# Altium PCB Quadcopter_v1.0.PcbDoc
Units mm, origin at the board's own origin, x right, y up, seen from the top; angles counter-clockwise.
Board outline 90 x 90 mm, 2 copper layers (Top Layer, Bottom Layer); 77 components, 61 nets, 285 pads, 31 vias.
Unrouted connection lines stored in the file: 67.
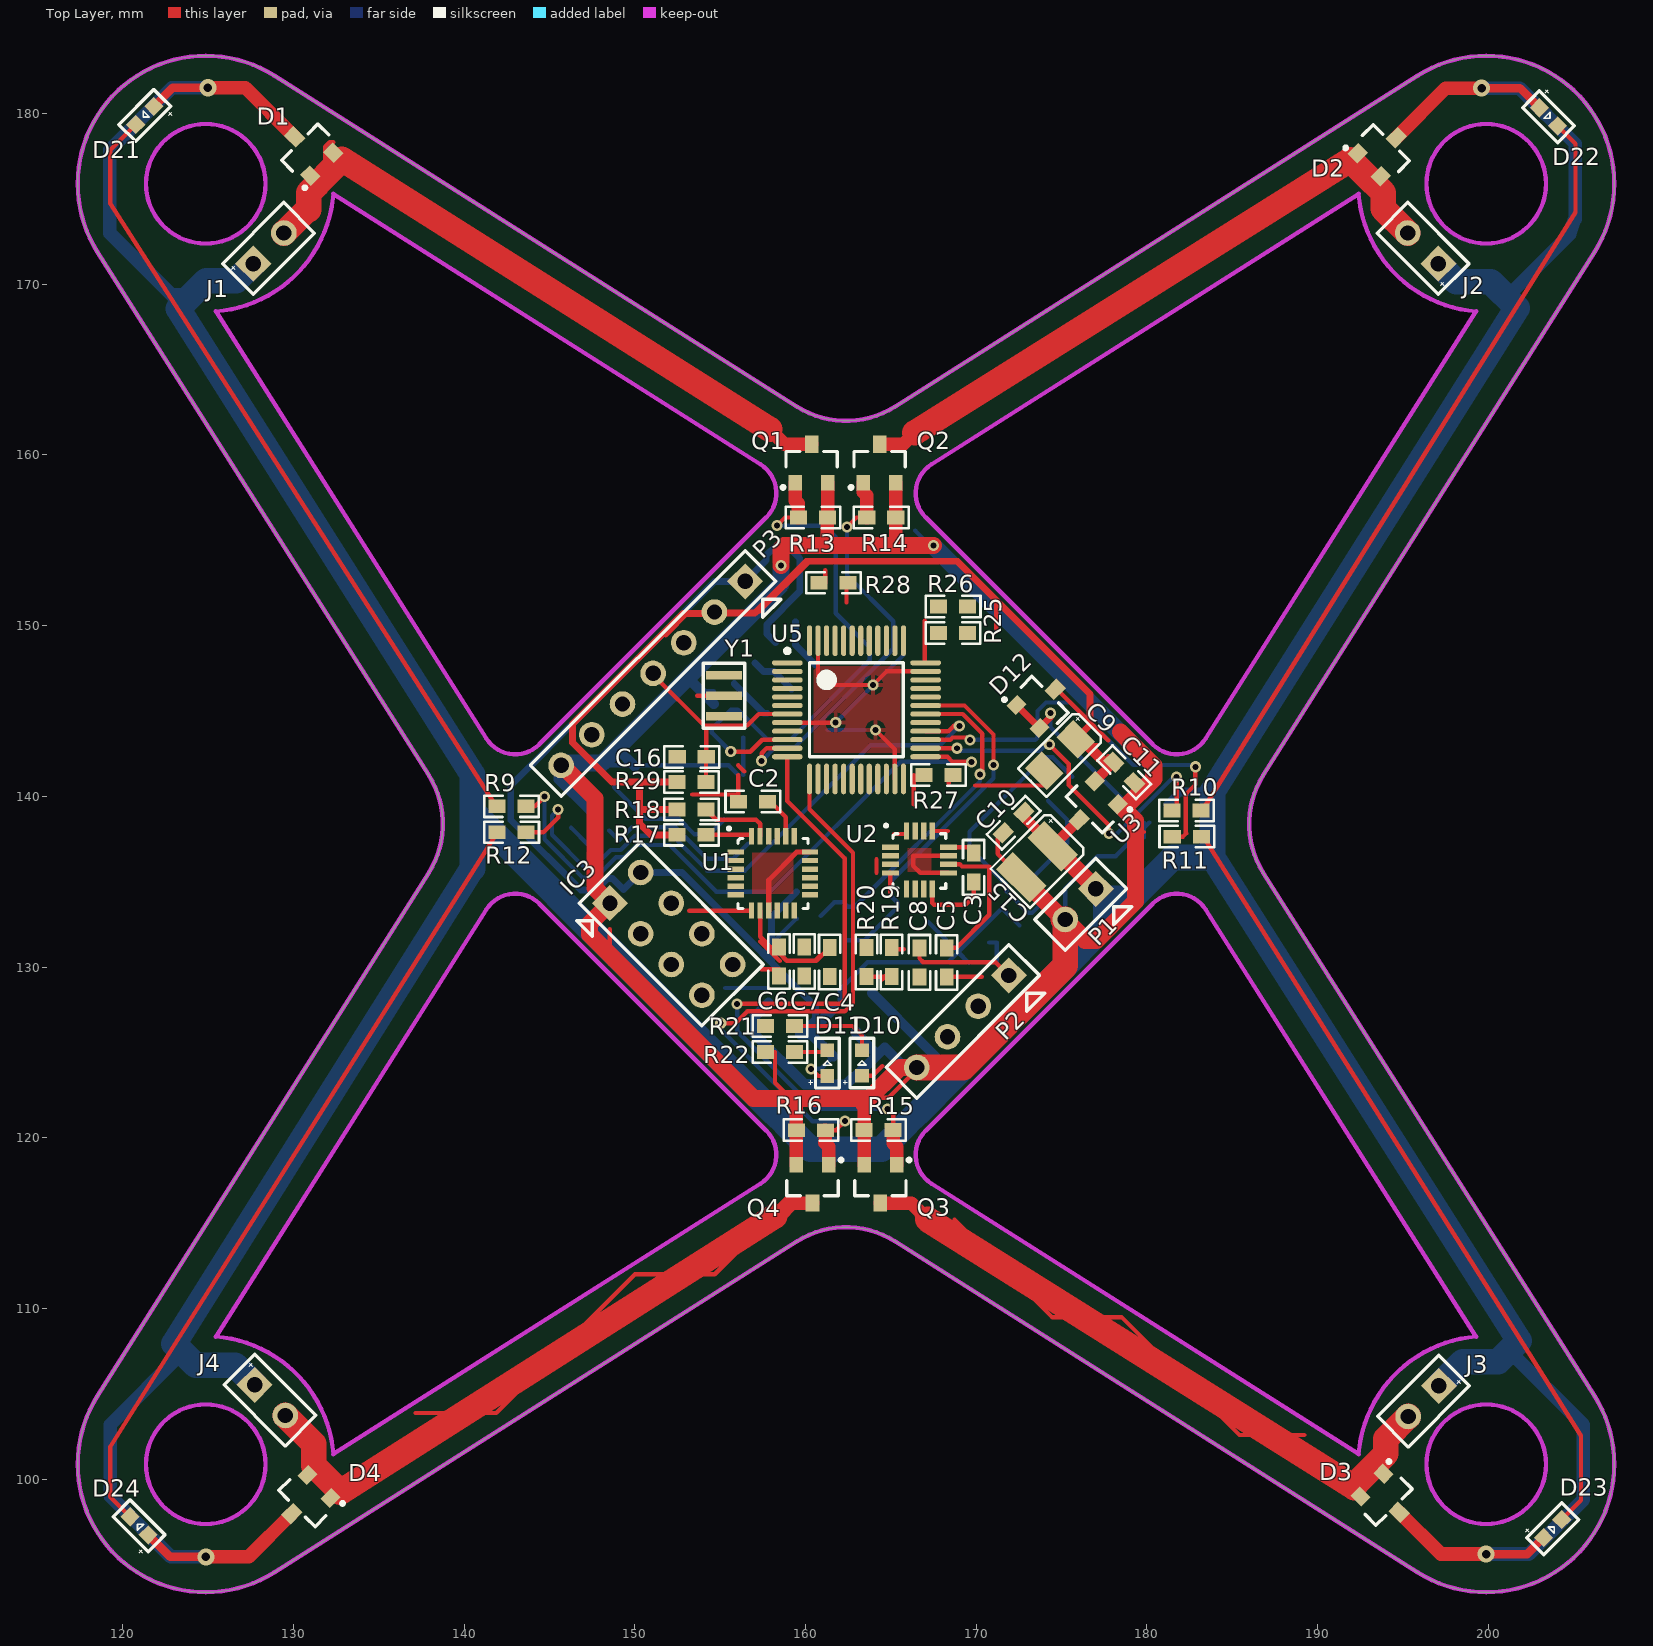
[diagram p0: Top Layer view]
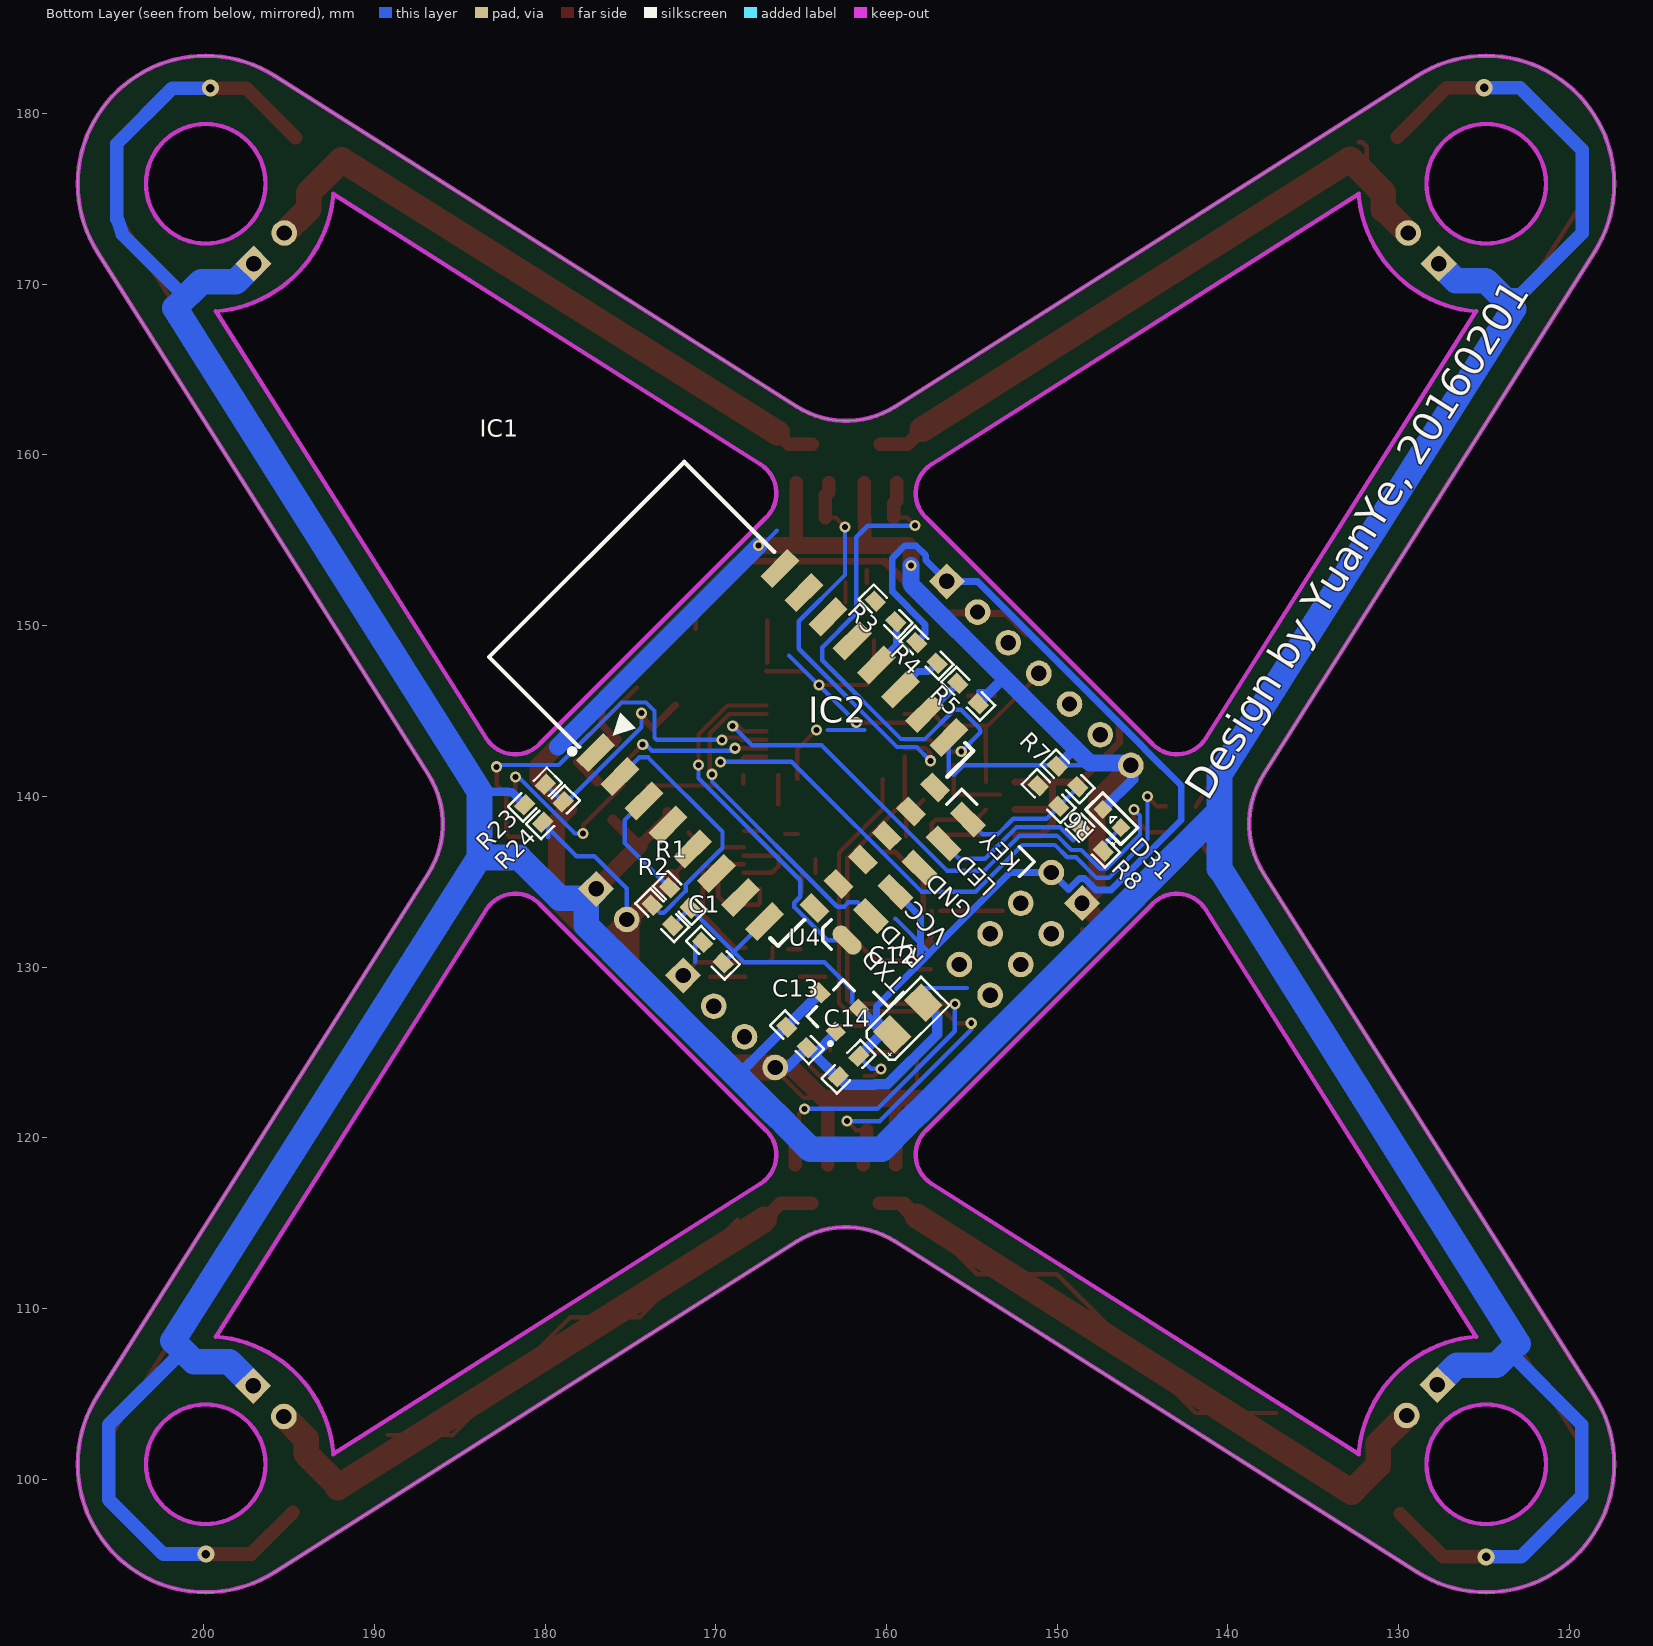
[diagram p1: Bottom Layer view, seen from below]

## Layer stack, top to bottom
Top Solder: solder mask 0.0102, Solder Resist, Dk 3.5
Top Layer: signal copper 0.0356
Dielectric 1: dielectric 0.32, FR-4, Dk 4.8
Bottom Layer: signal copper 0.0356
Bottom Solder: solder mask 0.0102, Solder Resist, Dk 3.5

## Board outline
118.538,104.894 ccw(c124.874,100.881) 128.887,94.545 159.505,113.936 cw(c162.374,109.405) 165.244,113.936 195.861,94.545 ccw(c199.874,100.881) 206.21,104.894 186.819,135.511 cw(c191.35,138.381) 186.819,141.251 206.21,171.868 ccw(c199.874,175.881) 195.861,182.217 165.244,162.826 cw(c162.374,167.357) 159.505,162.826 128.887,182.217 ccw(c124.874,175.881) 118.538,171.868 137.929,141.251 cw(c133.398,138.381) 137.929,135.511
cut-out: 125.466,108.358 cw(c124.874,100.881) 132.351,101.473 157.364,117.315 ccw(c156.294,119.005) 157.708,120.419 144.412,133.715 ccw(c142.998,132.301) 141.309,133.371
cut-out: 167.384,117.315 192.398,101.473 cw(c199.874,100.881) 199.282,108.358 183.44,133.371 ccw(c181.75,132.301) 180.336,133.715 167.04,120.419 ccw(c168.454,119.005)
cut-out: 167.04,156.343 180.336,143.047 ccw(c181.75,144.461) 183.44,143.391 199.282,168.404 cw(c199.874,175.881) 192.398,175.289 167.384,159.447 ccw(c168.454,157.757)
cut-out: 141.309,143.391 125.466,168.404 ccw(c124.874,175.881) 132.351,175.289 157.364,159.447 cw(c156.294,157.757) 157.708,156.343 144.412,143.047 cw(c142.998,144.461)
cut-out: 121.374,100.881 ccw(c124.874,100.881) 124.874,97.381 ccw(c124.874,100.881) 128.374,100.881 ccw(c124.874,100.881) 124.874,104.381 ccw(c124.874,100.881)
cut-out: 196.374,100.881 ccw(c199.874,100.881) 199.874,97.381 ccw(c199.874,100.881) 203.375,100.881 ccw(c199.874,100.881) 199.874,104.381 ccw(c199.874,100.881)
cut-out: 196.374,175.881 ccw(c199.874,175.881) 199.874,172.381 ccw(c199.874,175.881) 203.374,175.881 ccw(c199.874,175.881) 199.874,179.381 ccw(c199.874,175.881)
cut-out: 124.874,172.381 cw(c124.874,175.881) 121.374,175.881 cw(c124.874,175.881) 124.874,179.381 cw(c124.874,175.881) 128.374,175.881 cw(c124.874,175.881)

## Design rules (kind name [scope] priority, off if disabled: settings)
Clearance Pol_Clearance [InPolygon] p1: gap=0.5
Clearance [All] p2: gap=0.178
ComponentClearance [All] p1: gap=0 collisioncheckmode=3 verticalgap=0 showdistances=FALSE
HoleToHoleClearance [All] p1: gap=0 allowstackedmicrovias=TRUE
MinimumSolderMaskSliver [All] p1: minsoldermaskwidth=0.1
PolygonConnect [All] p1: connectstyle=Relief reliefconductorwidth=0.254 reliefentries=4 polygonreliefangle="90 Angle" airgapwidth=0.254
RoutingVias [All] p1: holewidth=0.35 width=0.65 viastyle="Through Hole" minholewidth=0.35 minwidth=0.65 maxholewidth=6 maxwidth=6
SilkToSilkClearance [All] p1: silktosilkclearance=0
SolderMaskExpansion [All] p1: expansion=0.102
Width Width_VBAT [InNet('VBAT')] p1: maxlimit=4 minlimit=0.5 preferedwidth=1.5
Width [All] p2: maxlimit=4 minlimit=0.254 preferedwidth=0.254
26 further rules are at their usual default settings.

## Classes and differential pairs
component class U_WiFi: C1 IC1 R1 R2 R3 R4 R5
component class U_STM32F103CBT6: P2 P3 R25 R26 R27 R28 R29 U5 Y1
component class U_Power: C9 C10 C11 C12 C13 C14 C15 D10 D11 D12 P1 R21 R22 R23 R24 U3 U4
component class U_nRF24L01: IC3
component class U_MPU: C2 C3 C4 C5 C6 C7 C8 R17 R18 R19 R20 U1 U2
component class U_Motor: D1 D2 D3 D4 D21 D22 D23 D24 J1 J2 J3 J4 Q1 Q2 Q3 Q4 R9 R10 R11 R12 R13 R14 R15 R16
component class U_BlueTooth: D31 R6 R7 R8

## Components (designator, comment, footprint, x,y, rotation, side; value= is the part's Value field where it differs from the comment)
C1 "C0603" C0603 170.17,130.843 r225 bottom
C2 "Ceramic, X7R, 2.2nF ±10%, 50V" C0603 156.917,139.692 r0 top
C3 "C0603" C0603 169.852,135.844 r90 top
C4 "C0603" C0603 161.418,130.304 r90 top
C5 "C0603" C0603 168.27,130.276 r90 top
C6 "C0603" C0603 158.446,130.32 r90 top
C7 "C0603" C0603 159.928,130.32 r90 top
C8 "C0603" C0603 166.68,130.28 r90 top
C9 "Cap Ta" CAP_TA_A_CASE 174.901,142.415 r45 top
C10 "C0603" C0603 172.192,138.46 r225 top
C11 "C0603" C0603 178.672,141.41 r315 top
C12 "Cap Ta" CAP_TA_A_CASE 158.758,126.987 r315 bottom
C13 "C0603" C0603 165.246,125.887 r225 bottom
C14 "C0603" C0603 162.224,124.169 r315 bottom
C15 "Cap Ta" CAP_TA_B_CASE 173.558,136.167 r45 top
C16 "C0603" C0603 153.34,142.311 r0 top
D1 "BAT54C" SOT23-3 130.873,177.827 r135 top
D2 "BAT54C" SOT23-3 193.815,177.789 r45 top
D3 "BAT54C" SOT23-3 193.977,98.864 r315 top
D4 "BAT54C" SOT23-3 130.711,98.781 r225 top
D10 "LED" LED_0603 163.308,124.384 r90 top
D11 "LED" LED_0603 161.285,124.37 r90 top
D12 "BAT54C" SOT23-3 173.83,145.471 r45 top
D21 "LED" LED_0603 121.304,179.881 r225 top
D22 "LED" LED_0603 203.521,179.805 r315 top
D23 "LED" LED_0603 203.764,97.111 r45 top
D24 "LED" LED_0603 120.967,97.277 r135 top
D31 "LED" LED_0603 146.8,138.7 r45 bottom
IC1 "ESP8266 ESP-12-E" ESP_12_E 177.3,142.3 r135 bottom
IC2 "HC-06_PAD" HC-0X_PAD 162.311,131.581 r135 bottom
IC3 "nRF24L01_2X4PIN" nRF24L01_module 148.548,133.744 r315 top
J1 "motor bonding pad" Motor_Pin_Pad 127.656,171.201 r45 top
J2 "motor bonding pad" Motor_Pin_Pad 197.067,171.201 r135 top
J3 "motor bonding pad" Motor_Pin_Pad 197.094,105.473 r225 top
J4 "motor bonding pad" Motor_Pin_Pad 127.741,105.532 r315 top
P1 "Header 2" HDR1X2 177.01,134.585 r225 top
P2 "Header 4" HDR1X4 171.913,129.509 r225 top
P3 "Header 1X7" HDR1X7 156.464,152.591 r225 top
Q1 "SI2302" SOT23-3 160.361,159.498 r90 top
Q2 "SI2302" SOT23-3 164.343,159.498 r90 top
Q3 "SI2302" SOT23-3 164.387,117.301 r270 top
Q4 "SI2302" SOT23-3 160.41,117.301 r270 top
R1 "R0603" R0603 172.11,134.045 r225 bottom
R2 "R0603" R0603 173.133,133.034 r225 bottom
R3 "R0603" R0603 160.058,150.832 r225 bottom
R4 "R0603" R0603 157.642,148.41 r225 bottom
R5 "R0603" R0603 155.222,146.015 r225 bottom
R6 "R0603" R0603 150.507,140.018 r45 bottom
R7 "R0603" R0603 149.393,141.168 r45 bottom
R8 "R0603" R0603 147.9,137.4 r45 bottom
R9 "R0603" R0603 142.78,139.415 r180 top
R10 "R0603" R0603 182.327,139.172 r0 top
R11 "R0603" R0603 182.335,137.641 r0 top
R12 "R0603" R0603 142.792,137.898 r180 top
R13 "R0603" R0603 160.433,156.331 r180 top
R14 "R0603" R0603 164.439,156.331 r180 top
R15 "R0603" R0603 164.286,120.458 r0 top
R16 "R0603" R0603 160.316,120.45 r0 top
R17 "R0603" R0603 153.324,137.746 r180 top
R18 "R0603" R0603 153.33,139.232 r180 top
R19 "R0603" R0603 165.044,130.29 r270 top
R20 "R0603" R0603 163.575,130.29 r270 top
R21 "R0603" R0603 158.503,126.554 r0 top
R22 "R0603" R0603 158.503,125.026 r0 top
R23 "R0603" r0603 180.591,140.102 r315 bottom
R24 "R0603" r0603 179.541,139.072 r135 bottom
R25 "R0603" R0603 168.646,149.571 r0 top
R26 "R0603" R0603 168.652,151.12 r180 top
R27 "R0603" R0603 167.788,141.247 r180 top
R28 "R0603" R0603 161.644,152.509 r180 top
R29 "R0603" R0603 153.325,140.838 r0 top
U1 "MPU6050" "24 Lead QFN" 155.694,133.802 r0 top
U2 "HMC5983" "16 Lead QFN 2" 165.028,137.01 r0 top
U3 "ME6206A33" SOT23-3 176.825,139.42 r225 top
U4 "ME6206A33" SOT23-3 163.097,127.691 r45 bottom
U5 "STM32F103CBT6" LQFP48_N 162.987,145.069 r0 top
Y1 "CSTCE8M00G52Z" X8MCSTCR 155.23,145.901 r270 top

## Footprints (in the part's own frame and the unit in brackets; to place one, negate y for a bottom-side part, rotate by r counter-clockwise, add the part's x,y. Pads: shape width x height; smd on the part's side, far side on the other; paste and mask are expansions set on the pad)
"16 Lead QFN 2" [mm]
  rect 1x0.3 smd: 1(-0.042,0.011) 2(-0.042,-0.489) 3(-0.042,-0.989) 4(-0.042,-1.489) 9(3.34,-1.489) 10(3.34,-0.989) 11(3.34,-0.489) 12(3.34,0.011)
  rect 0.3x1 smd: 5(0.899,-2.43) 6(1.399,-2.43) 7(1.899,-2.43) 8(2.399,-2.43) 13(2.399,0.952) 14(1.899,0.952) 15(1.399,0.952) 16(0.899,0.952)
  silkscreen extent -0.35,-2.4 3.18,1.32, body extent 0.13,-2.41 3.17,0.76, height 0.9
"24 Lead QFN" [mm]
  rect 0.95x0.3 smd: 1(0.228,2.932) 2(0.228,2.432) 3(0.228,1.932) 4(0.228,1.432) 5(0.228,0.932) 6(0.228,0.432) 13(4.578,0.432) 14(4.578,0.932) 15(4.578,1.432) 16(4.578,1.932) 17(4.578,2.432) 18(4.578,2.932)
  rect 0.3x0.95 smd: 7(1.153,-0.493) 8(1.653,-0.493) 9(2.153,-0.493) 10(2.653,-0.493) 11(3.153,-0.493) 12(3.653,-0.493) 19(3.653,3.857) 20(3.153,3.857) 21(2.653,3.857) 22(2.153,3.857) 23(1.653,3.857) 24(1.153,3.857)
  silkscreen extent -0.23,-0.37 4.45,4.37, body extent 0.38,-0.38 4.44,3.68, height 0.89
C0603 [mm]
  rect 1x0.8 smd: 1(-0.85,0) 2(0.85,0)
  silkscreen extent -1.6,-0.63 1.6,0.63, body extent -0.79,-0.38 0.79,0.38, height 0.8
CAP_TA_A_CASE [mm]
  rect 1.4x1.8 smd: 1(1.3,0) 2(-1.3,0)
  silkscreen extent -2.28,-1.17 2.47,1.18, body extent -1.7,-0.9 1.7,0.9, height 1.7
CAP_TA_B_CASE [mm]
  rect 1.4x2.8 smd: 1(1.3,0) 2(-1.3,0)
  silkscreen extent -2.2,-1.63 2.5,1.62, body extent -1.77,-1.38 1.89,1.42, height 1.95
ESP_12_E [mm] "ESP-12 Wi-Fi Module by AI-Thinker"
  rect 2.25x1 smd: 1(0.375,0) 2(0.375,-2) 3(0.375,-4) 4(0.375,-6) 5(0.375,-8) 6(0.375,-10) 7(0.375,-12) 8(0.375,-14) 15(15.625,-14) 16(15.625,-12) 17(15.625,-10) 18(15.625,-8) 19(15.625,-6) 20(15.625,-4) 21(15.625,-2) 22(15.625,0)
  rect 1x1.5 smd: 9(3,-15.5) 10(5,-15.5) 11(7,-15.5) 12(9,-15.5) 13(11,-15.5) 14(13,-15.5)
  silkscreen extent -0.7,-15.57 16.08,8.37, body extent 0,-15.49 16,8.51, height 2.75
HC-0X_PAD [mm]
  oval 1x2 smd: 1(0,0)
  rect 1x2 smd: 2(2,0) 12(4,0) 13(6,0) 24(8,0) 26(10,0)
  silkscreen extent -1.06,-4.5 11,1.5
HDR1X2 [mm] "Connector; Header; 2 Position"
  rect 1.5x1.5 hole 0.9: 1(0,0)
  round 1.5 hole 0.9: 2(2.54,0)
  silkscreen extent -1.27,-1.27 3.81,2.22
HDR1X4 [mm] "Connector; Header; 4 Position"
  rect 1.5x1.5 hole 0.9: 1(0,0)
  round 1.5 hole 0.9: 2(2.54,0) 3(5.08,0) 4(7.62,0)
  silkscreen extent -1.27,-1.27 8.89,2.23
HDR1X7 [mm] "Connector; Header; 7 Position"
  rect 1.5x1.5 hole 0.9: 1(0,0)
  round 1.5 hole 0.9: 2(2.54,0) 3(5.08,0) 4(7.62,0) 5(10.16,0) 6(12.7,0) 7(15.24,0)
  silkscreen extent -1.27,-1.27 16.51,2.23
LED_0603 [mm]
  rect 0.8x0.8 smd: 1(-0.75,0) 2(0.75,0)
  silkscreen extent -1.45,-0.7 1.45,1.1, body extent -0.8,-0.4 0.8,0.4, height 0.7
LQFP48_N [mm] "Thin QFP, 48-Leads, Body 7x7mm, Pitch 0.5mm, IPC Medium Density"
  oval 1.8x0.3 smd: 1(-4.05,2.75) 2(-4.05,2.25) 3(-4.05,1.75) 4(-4.05,1.25) 5(-4.05,0.75) 6(-4.05,0.25) 7(-4.05,-0.25) 8(-4.05,-0.75) 9(-4.05,-1.25) 10(-4.05,-1.75) 11(-4.05,-2.25) 12(-4.05,-2.75) 25(4.05,-2.75) 26(4.05,-2.25) 27(4.05,-1.75) 28(4.05,-1.25) 29(4.05,-0.75) 30(4.05,-0.25) 31(4.05,0.25) 32(4.05,0.75) 33(4.05,1.25) 34(4.05,1.75) 35(4.05,2.25) 36(4.05,2.75)
  oval 0.3x1.8 smd: 13(-2.75,-4.05) 14(-2.25,-4.05) 15(-1.75,-4.05) 16(-1.25,-4.05) 17(-0.75,-4.05) 18(-0.25,-4.05) 19(0.25,-4.05) 20(0.75,-4.05) 21(1.25,-4.05) 22(1.75,-4.05) 23(2.25,-4.05) 24(2.75,-4.05) 37(2.75,4.05) 38(2.25,4.05) 39(1.75,4.05) 40(1.25,4.05) 41(0.75,4.05) 42(0.25,4.05) 43(-0.25,4.05) 44(-0.75,4.05) 45(-1.25,4.05) 46(-1.75,4.05) 47(-2.25,4.05) 48(-2.75,4.05)
  silkscreen extent -4.17,-2.75 2.75,3.57, body extent -3.5,-3.5 3.5,3.5, height 1.6
Motor_Pin_Pad [mm] "Connector; Header; 2 Position"
  rect 1.5x1.5 hole 0.9: 1(0,0)
  round 1.5 hole 0.9: 2(2.54,0)
  silkscreen extent -1.27,-1.27 3.8,1.27
nRF24L01_module [mm] "nRF24L01_module"
  rect 1.5x1.5 hole 0.9: 1(0,0)
  round 1.5 hole 0.9: 2(0,2.54) 3(2.54,0) 4(2.54,2.54) 5(5.08,0) 6(5.08,2.54) 7(7.62,0) 8(7.62,2.54)
  silkscreen extent -1.27,-2.1 8.89,3.81, body extent -1.57,-1.68 13.43,27.32, height 15
R0603 [mm]
  rect 1x0.8 smd: 1(-0.85,0) 2(0.85,0)
  silkscreen extent -1.6,-0.63 1.6,0.63, body extent -0.79,-0.38 0.79,0.38, height 0.4
r0603 [mm]
  rect 1x0.8 smd: 1(-0.85,0) 2(0.85,0)
  silkscreen extent -1.6,-0.62 1.6,0.63, body extent -0.79,-0.38 0.79,0.38, height 0.4
SOT23-3 [mm] "SOT23, 3-Leads, Body 2.9x1.3mm, Pitch 0.95mm, Lead Span 2.3mm - Reverse Pinning, IPC Medium Density"
  rect 0.9x0.8 smd: 1(-1.125,0.95) 2(-1.125,-0.95)
  rect 1x0.8 smd: 3(1.125,0)
  silkscreen extent -1.5,-1.5 0.7,1.77, body extent -1.4,-1.45 1.4,1.45, height 1.3
X8MCSTCR [mm]
  rect 0.5x2.1 smd: 1(-1.2,0) 2(0,0) 3(1.2,0)
  silkscreen extent -1.9,-1.22 1.9,1.22, body extent -1.75,-0.65 1.75,0.65, height 0.7

## Part data
C1 C2 C3 C4 C5 C6 C7 C8 C10 C11 C13 C14 C16: library part Cap, "Capacitor (Semiconductor SIM Model)"
C9 C12 C15: library part "Cap Tantalum", "Polarized Capacitor (Surface Mount)"
D10 D11 D21 D22 D23 D24 D31: "Typical INFRARED GaAs LED"
IC3: library part nRF24L01_MOD_2X4
J1 J2 J3 J4: library part Joint_Motor
P1: "Header, 2-Pin"
P2: "Header, 4-Pin"
P3: "Header, 7-Pin"
Q1 Q2 Q3 Q4: "N-Channel MOSFET"
R1 R2 R3 R4 R5 R6 R7 R8 R9 R10 R11 R12 R13 R14 R15 R16 R17 R18 R19 R20 R21 R22 R23 R24 R25 R26 R27 R28 R29: library part Res3, "Resistor"
U1: "MPU6050, 24pin"
U2: "HMC5983, 16pin"
U3 U4: library part ME6206, "ME6206A33, SOT23"
U5: "STM32 ARM-based 32-bit MCU with 128 Kbytes Flash, 48-pin LQFP, Industrial Temperature"
Y1: "Crystal Oscillator, 3rd In-Line Lead Version"

## Via types
v1: diameter 0.65, hole 0.35, Top Layer to Bottom Layer, 27 vias
v2: diameter 1, hole 0.5, Top Layer to Bottom Layer, 4 vias

## Nets (pads, with @x,y where several pads share a name; then routed paths per layer and width w, separated by ;. In a path a pad name is that pad's centre, name@x,y a point inside that pad or via, vN(x,y) a via of type N, cw(c..) or ccw(c..) an arc to the next point about the centre after c; other vN are vias at no path point)
3V3: C4.2 C6.2 C8.2 C9.1 C11.1 D10.1 D12.3 P2.1 P3.2 R17.2 R18.2 R19.2 R20.2 R25.2 R29.1 U1.8 U1.13 U2.2 U2.4 U2.6 U2.13 U3.2 U5.1 U5.9 U5.24 U5.36 U5.48 | length 137
  Top Layer w0.254: 151.818,149.435 153.177,150.794 ; P3.2 157.271,150.794 160.249,153.772 ; 157.347,131.502 158.496,130.353 ; U1.8 157.347,131.779 157.955,131.17 C6.2 ; C6.2@158.446,130.82 158.9,130.365 ; 160.528,130.353 160.884,130.708 ; C4.2 160.629,130.365 ; D10.1 163.928,123.634 164.498,124.204 ; R20.2 R19.2 ; 164.16,135.521 164.16,136.322 ; 164.498,129.292 R19.2@164.662,129.455 ; 164.973,134.391 U2.4@164.973,135.521 ; U5.36@166.98,147.819 166.98,150.292 ; U2.13@167.427,137.973 168.326,137.973 ; 171.183,149.822 171.183,151.589 ; P2.1 171.137,130.285 166.904,130.285 166.68,130.509 ; D12.3@174.625,146.38 177.732,143.273 ; C9.1@175.821,142.993 177.089,142.993 ; 177.732,141.758 C11.1@177.732,142.35 ; 158.9,130.365 160.629,130.365 ; 158.9,130.365 160.629,130.365 ; 166.68,130.509 C8.2 166.68,130.509
  Top Layer w0.4: R17.2 150.961,137.746 150.288,138.419 150.288,139.388 ; R29.1 150.288,140.838 ; R18.2 150.445,139.232 150.288,139.388 ; C9.1 176.667,144.18 ; 150.288,139.388 150.288,140.838 ; 150.288,140.838 148.662,140.838 146.356,143.143 146.356,144.23 152.835,150.708 ; 152.835,150.708 P3.2@154.582,150.708 ; 152.835,150.708 P3.2@154.582,150.708 ; P3.2@154.582,150.708 P3.2@154.614,150.74 ; P3.2@154.614,150.74 157.032,150.74 ; P3.2@154.614,150.74 157.032,150.74 ; P3.2@154.614,150.74 157.032,150.74 ; 157.032,150.74 160.059,153.768 ; 157.032,150.74 160.059,153.768 ; 160.059,153.768 168.901,153.768 ; 160.059,153.768 168.901,153.768 ; 168.901,153.768 176.667,146.002 ; 168.901,153.768 176.667,146.002 ; 176.667,144.18 176.667,146.002 ; 176.667,144.18 176.667,146.002
  Top Layer w0.6: C9.1 C9.1@176.156,143.334 ; U3.2 176.949,140.889 C11.1 ; C9.1@176.156,143.334 177.732,141.758 C9.1@176.156,143.334
3V3_EXT: C1.2 C12.1 C14.1 D11.1 IC1.8 IC2.12 IC3.2 P3.1 R1.2 R2.2 R4.1 U4.2 | length 107.7
  Top Layer w0.254: v1(160.331,124.037) 160.748,123.62 D11.1
  Bottom Layer w0.254: 157.468,130.825 159.483,132.84 ; v1(160.331,124.037) 160.891,124.037 C14.1 ; U4.2 162.02,127.958 162.011,127.958 162.011,128.665 163.634,130.289 168.353,130.289 168.944,130.88 ; IC1.8 167.158,132.666 168.944,130.88 ; C1.2 168.944,130.867 168.944,130.88 ; R2.2 171.521,133.444 R1.2 168.944,130.88
  Bottom Layer w0.4: 157.468,130.825 160.592,127.701 160.592,126.983 C12.1 ; R4.1 157.744,149.51 157.744,150.075 159.664,151.996 159.664,153.95 158.935,154.679 158.282,154.679 157.699,154.095 157.699,153.825 P3.1 154.67,152.59 144.888,142.808 144.888,142.778 142.737,140.627 142.737,138.623 146.841,134.519 147.728,134.519 148.391,135.182 148.704,135.182 149.345,134.541 IC3.2 152.77,135.54 ; IC2.12 158.009,132.936 ; 152.77,135.54 158.009,130.3 ; 152.77,135.54 158.009,130.3 ; 152.77,135.54 158.009,130.3 ; 158.009,130.3 158.009,132.936 ; 158.009,130.3 158.009,132.936
  Bottom Layer w0.6: C12.1 C12.1@160.129,126.067 ; C14.1 160.325,126.067 C12.1@160.129,126.067 ; U4.2 C12.1@160.129,126.067
BOOT0: P3.3 R28.1 U5.44 | length 1.2
  Top Layer w0.254: 162.408,151.351 R28.1@162.408,152.509
GND: C1.1 C2.1 C4.1 C5.1 C6.1 C7.1 C8.1 C9.2 C10.2 C11.2 C12.2 C13.2 C14.2 C15.2 C16.1 D31.2 IC1.15 IC2.13 IC3.1 P1.2 P2.4 P3.7 Q1.2 Q2.2 Q3.2 Q4.2 R5.2 R7.2 R13.1 R14.1 R15.1 R16.1 R21.1 R22.1 R24.1 R26.1 R27.1 R28.2 U1.9 U1.18 U2.9 U2.11 U3.1 U4.1 U5.8 U5.23 U5.35 U5.47 Y1.2 | length 360.9
  Top Layer w0.254: 148.539,130.199 148.539,132.207 ; 153.365,140.106 156.067,140.106 156.067,141.253 ; 153.67,145.9 Y1.2 ; 156.058,141.814 156.419,141.453 ; 156.761,121.978 163.42,121.978 ; 157.404,129.87 C6.1@158.446,129.87 ; 158.217,125.026 158.217,123.231 159.466,121.982 159.836,122.352 164.871,122.352 P2.4@166.68,124.16 ; U5.8 161.771,144.319 v1(161.773,144.318) ; U5.47 160.737,146.966 161.182,146.522 v1(163.953,146.522) 164.751,147.319 ; R28.2@161.163,152.509 161.163,153.238 ; v1(164.097,143.89) 165.237,142.749 U5.23 ; R14.1 Q2.2@165.289,158.496 ; C5.1@168.27,129.438 170.332,129.438 ; U2.9 166.725,135.521 166.318,135.928 166.318,136.521 U2.11 ; 168.402,140.767 R27.1@168.402,141.247 ; 169.949,140.64 C9.2@173.982,140.64 ; C10.2 171.254,137.521 171.254,136.633 C15.2 ; U3.1@178.292,139.423 179.807,137.908 ; 164.751,147.319 U5.35 164.751,147.319
  Top Layer w0.3: U1.9 157.847,135.089 159.491,136.733 U1.18
  Top Layer w0.8: Q4.2 159.46,120.445 R16.1 ; 161.283,154.693 R13.1 161.311,156.359 Q1.2 ; 163.42,121.978 163.42,122.298 ; 163.436,121.962 R15.1 163.437,120.457 Q3.2 ; 165.289,155.225 R14.1 165.293,156.335 Q2.2 ; R16.1 159.466,121.982 R16.1
  Top Layer w1: v1(158.576,153.527) 158.576,154.525 158.743,154.692 ; 163.436,121.962 163.436,122.004 ; P2.4 165.553,124.121 ; C15.2 P1.2@175.098,132.789 ; P1.2 176.362,131.641 176.362,131.571 177.053,131.571 179.334,133.851 ; 178.44,143.767 180.4,141.808 180.4,141.034 ; P3.7@145.602,141.946 147.671,139.877 ; P3.7@145.602,141.946 P3.7@145.711,141.837 ; P3.7@145.602,141.946 P3.7@145.711,141.837 ; P3.7@145.711,141.837 147.671,139.877 ; 147.36,131.906 156.968,122.298 ; 147.36,131.906 156.968,122.298 ; 147.36,131.906 147.36,132.556 IC3.1 147.671,134.62 147.671,139.877 ; 156.968,122.298 163.42,122.298 156.968,122.298 ; 158.743,154.692 v1(167.497,154.692) 158.743,154.692 ; 163.436,122.004 165.553,124.121 ; 163.436,122.004 165.553,124.121 ; 178.635,139.269 180.4,141.034 ; 178.635,139.269 180.4,141.034 ; 178.635,139.269 180.4,141.034 ; 178.635,139.269 179.334,138.57 ; 179.334,133.851 179.334,138.57 ; 179.334,133.851 179.334,138.57
  Top Layer w1.5: P1.2@175.098,132.789 P1.2 175.214,130.085 169.25,124.121 ; 169.25,124.121 P2.4 169.25,124.121
  Bottom Layer w0.254: 145.552,141.009 P3.7@145.552,142.027 ; P3.7 155.506,141.814 156.067,141.253 ; 153.67,146.152 154.621,146.152 R5.2 ; 155.296,128.778 C12.2@157.839,128.778 ; 156.352,141.249 IC1.15 ; 161.289,143.89 163.449,143.89 ; v1(161.773,144.318) 165.71,148.255 ; 166.421,155.575 168.25,153.746 ; C1.1 171.201,131.444 171.201,130.307 ; P1.2 175.214,134.599 177.111,136.497 178.168,136.497 ; 179.807,137.592 R24.1@179.807,138.471 ; 178.168,136.497 R24.1 178.168,136.497
  Bottom Layer w0.6: 148.992,142.843 148.992,142.771 ; 153.034,146.885 153.152,146.885 ; C12.2 157.037,127.104 ; U4.1 162.973,126.119 164.211,124.881 164.24,124.881 ; P2.4 165.81,124.121 C13.2 164.24,124.881 ; 145.552,141.009 P3.7@145.552,142.027 ; 145.552,141.009 D31.2 145.552,141.009 ; 145.552,141.009 P3.7@145.552,142.027 ; 145.552,141.009 P3.7@145.552,142.027 ; 148.992,142.771 R7.2 148.992,142.771 ; 153.152,146.885 154.622,145.415 153.152,146.885 ; 157.037,126.053 157.037,127.104 ; 157.037,126.053 157.037,127.104 ; 157.037,126.053 159.95,123.139 160.657,123.139 160.682,123.114 162.371,123.114 C14.2 162.927,123.568 164.24,124.881
  Bottom Layer w1: v1(158.576,153.527) 158.576,152.428 153.034,146.885 148.992,142.843 148.095,141.946 ; P3.7@145.602,141.946 148.095,141.946 ; P3.7@145.602,141.946 148.095,141.946 ; P3.7@145.602,141.946 148.095,141.946 ; v1@167.484,154.679 179.257,142.906 ; v1@167.484,154.679 179.257,142.906 ; v1@167.484,154.679 179.257,142.906
NetC2_2: C2.2 U1.20 | length 5.3
  Top Layer w0.254: U1.20 158.847,138.786 ; C2.2@157.854,139.778 158.847,138.786 ; C2.2@157.854,139.778 158.847,138.786 ; C2.2@157.854,139.778 158.847,138.786
NetC3_1: C3.1 U2.8 | length 4.4
  Top Layer w0.254: U2.8 167.427,133.749 167.531,133.645 169.361,133.645 169.852,134.135 C3.1
NetC3_2: C3.2 U2.12 | length 1.6
  Top Layer w0.254: U2.12 169.525,137.021 C3.2
NetC5_2: C5.2 U2.10 | length 8.6
  Top Layer w0.254: C5.2 168.826,131.126 170.76,133.06 170.76,135.89 169.164,135.89 169.033,136.021 U2.10
NetC7_2: C7.2 U1.10
NetD1_1: D1.1 D1.2 J1.2 Q1.3 | length 49.4
  Top Layer w0.254: 130.828,174.374 131.877,175.423 131.877,177.703 131.877,178.054 132.131,178.308 132.34,178.308
  Top Layer w0.8: 157.9,161.5 158.777,160.623 Q1.3
  Top Layer w1.5: J1.2 130.828,174.374 130.899,174.374 ; 157.9,161.5 132.845,177.31 ; 130.899,174.374 130.899,175.364 ; 130.899,174.374 130.899,175.364 ; 130.899,175.364 132.845,177.31 ; 130.899,175.364 132.845,177.31 ; 130.899,175.364 132.845,177.31
NetD2_1: D2.1 D2.2 J2.2 Q2.3 | length 42.6
  Top Layer w0.254: 193.691,174.577 D2.2
  Top Layer w0.8: Q2.3 165.723,160.623 166.4,161.3
  Top Layer w1.5: 166.4,161.3 191.915,177.284 ; J2.2 193.847,174.421 193.847,175.366 ; 191.915,177.284 193.285,175.915 191.941,177.259 ; 191.915,177.284 191.941,177.259 ; 191.915,177.284 191.941,177.259 ; 193.847,175.366 193.318,175.895 193.847,175.366
NetD3_1: D3.1 D3.2 J3.2 Q3.3 | length 104.4
  Top Layer w0.254: 168.727,115.22 174.447,109.499 178.511,109.499 185.42,102.591 189.22,102.591 ; 192.51,99.801 192.51,100.889 J3.2
  Top Layer w0.8: Q3.3 166.201,116.176 167.157,115.22
  Top Layer w1.5: J3.2 193.996,102.376 ; 192.154,99.657 193.996,101.499 ; 192.154,99.657 193.996,101.499 ; 192.154,99.657 193.996,101.499 ; 193.996,101.499 193.996,102.376 ; 193.996,101.499 193.996,102.376 ; 167.157,115.22 192.154,99.516 167.157,115.22
NetD4_1: D4.1 D4.2 J4.2 Q4.3 | length 99.6
  Top Layer w0.254: 137.159,103.886 141.884,103.886 150.012,112.014 154.686,112.014 158.14,115.468
  Top Layer w0.8: 158.2,115.4 158.443,115.4 159.219,116.176 ; 158.334,115.534 158.96,116.16 ; 159.245,116.176 Q4.3
  Top Layer w1.5: J4.2 131.209,102.064 131.209,100.804 ; 131.209,100.804 132.762,99.252 ; 131.209,100.804 132.643,99.37 ; 131.209,100.804 132.643,99.37 ; 132.643,99.37 132.762,99.252 ; 132.643,99.37 132.762,99.252 ; 132.762,99.252 158.2,115.4 132.762,99.252
NetD10_2: D10.2 R21.2 | length 5.1
  Top Layer w0.254: R21.2 162.768,126.554 163.308,126.014 D10.2
NetD11_2: D11.2 R22.2 | length 1.9
  Top Layer w0.254: R22.2 161.191,125.026 D11.2@161.191,125.12
NetD12_1: D12.1 D12.2 R23.1 R24.2 U5.18 | length 11.7
  Top Layer w0.4: D12.1 D12.2 174.354,144.651 v1(174.354,144.87)
  Bottom Layer w0.254: v1(174.354,144.87) 174.354,144.053 R24.2@178.734,139.673 ; R24.2 R23.1@179.969,140.703
  Bottom Layer w0.4: R24.2@178.734,139.673 R24.2 ; R23.1@179.969,140.703 R23.1
NetD21_2: D21.2 R9.2 | length 47.2
  Top Layer w0.254: D21.2 119.275,177.852 119.275,174.726 R9.2@141.9,139.4
NetD22_2: D22.2 R10.2 | length 129.6
  Top Layer w0.254: D22.2 205.1,178.226 205.1,174.2 ; R10.2@183.2,139.1 205.1,174.2 ; R10.2@183.2,139.1 R10.2@183.226,139.142 ; R10.2@183.2,139.1 R10.2@183.226,139.142 ; R10.2@183.226,139.142 205.1,174.2 ; R10.2@183.226,139.142 205.1,174.2
NetD23_2: D23.2 R11.2 | length 88.9
  Top Layer w0.254: R11.2@183.185,137.8 R11.2@183.2,137.8 ; D23.2 205.427,98.774 205.427,102.553 ; R11.2@183.2,137.8 205.427,102.553 ; R11.2@183.2,137.8 R11.2@183.268,137.693 ; R11.2@183.2,137.8 R11.2@183.268,137.693 ; R11.2@183.268,137.693 205.427,102.553
NetD24_2: D24.2 R12.2 | length 47
  Top Layer w0.254: D24.2 119.277,98.967 119.277,101.913 R12.2@141.9,137.8
NetD31_1: D31.1 R8.1 | length 1.8
  Bottom Layer w0.254: D31.1 147.299,137.14 R8.1
NetIC1_2: IC1.2 R2.1 | length 15.3
  Bottom Layer w0.254: R2.1 173.273,133.174 173.044,133.174 171.769,134.449 171.769,134.827 169.609,136.987 169.609,137.927 173.966,142.284 174.487,142.284 IC1.2
NetIC1_3: IC1.3 R1.1 | length 6.6
  Bottom Layer w0.254: R1.1 175.336,137.271 175.336,138.607 IC1.3
NetIC1_16: IC1.16 R5.1 | length 7.6
  Bottom Layer w0.4: IC1.16 IC1.16@157.578,144.863 ; R5.1@155.824,146.617 IC1.16@157.578,144.863 ; R5.1@155.824,146.617 IC1.16@157.578,144.863 ; R5.1@155.824,146.617 IC1.16@157.578,144.863
NetIC1_17: IC1.17 R4.2 | length 2.8
  Bottom Layer w0.4: R4.2 157.545,147.305 158.153,147.305 IC1.17
NetIC1_18: IC1.18 R3.2 | length 5.8
  Bottom Layer w0.4: IC1.18 159.425,148.861 ; 159.425,148.861 R3.2@159.425,150.231 ; 159.425,148.861 R3.2@159.425,150.231 ; 159.425,148.861 R3.2@159.425,150.231
NetIC1_21: IC1.21 U5.21
NetIC1_22: IC1.22 U5.22
NetIC2_24: IC2.24 R8.2 | length 9.9
  Bottom Layer w0.254: R8.2 149.073,137.429 149.838,138.194 152.392,138.194 154.248,136.338 155.758,136.338 155.758,136.342 IC2.24
NetIC2_26: IC2.26 R6.1 R7.1 | length 8
  Bottom Layer w0.254: R7.1 148.792,140.531 R6.1 150.634,138.69 152.579,138.69 153.497,137.772 154.36,137.772 IC2.26
NetIC3_3: IC3.3 U5.19
NetIC3_4: IC3.4 U5.14
NetIC3_5: IC3.5 U5.15
NetIC3_6: IC3.6 U5.17
NetIC3_7: IC3.7 U5.16
NetIC3_8: IC3.8 U5.2
NetQ1_1: Q1.1 R13.2 U5.10 | length 33.1
  Top Layer w0.254: v1(155.624,142.618) 156.766,142.618 157.467,143.319 U5.10 ; v1(158.331,155.856) 158.806,156.331 R13.2
  Top Layer w0.8: Q1.1 159.411,157.324 159.583,157.152 R13.2
  Bottom Layer w0.254: v1(155.624,142.618) 154.507,143.735 154.507,143.908 154.603,144.005 154.603,144.032 155.638,145.067 156.038,145.067 157.75,143.356 159.156,143.356 163.771,147.971 163.771,148.726 161.777,150.72 161.777,155.175 161.096,155.856 v1(158.331,155.856)
NetQ2_1: Q2.1 R14.2 U5.11 | length 24.3
  Top Layer w0.254: v1(157.435,142.083) 157.435,142.529 157.725,142.819 U5.11 ; v1(162.432,155.78) 162.983,156.331 R14.2
  Top Layer w0.8: Q2.1 163.393,157.816 163.589,157.62 R14.2
  Bottom Layer w0.254: v1(157.435,142.083) 158.239,142.887 159.387,142.887 165.141,148.641 165.141,150.254 162.432,152.964 v1(162.432,155.78)
NetQ3_1: Q3.1 R15.2 U5.12 | length 37.8
  Top Layer w0.254: v1(155.998,127.849) 162.048,127.849 162.3,128.101 162.3,136.367 158.937,139.73 U5.12 ; v1(164.811,121.698) 165.136,121.373 R15.2
  Top Layer w0.8: R15.2 165.136,119.68 165.337,119.479 Q3.1
  Bottom Layer w0.254: v1(155.998,127.849) 155.998,126.236 160.536,121.698 v1(164.811,121.698)
NetQ4_1: Q4.1 R16.2 U5.13 | length 35.8
  Top Layer w0.254: v1(155.038,126.712) 155.899,126.712 156.593,127.405 162.305,127.405 162.781,127.881 162.781,136.696 160.237,139.239 U5.13 U5.13@160.206,140.988 ; R16.2 161.794,120.45 v1(162.319,120.975)
  Top Layer w0.8: R16.2 161.166,119.738 161.135,119.707 161.36,119.482 Q4.1
  Bottom Layer w0.254: v1(155.038,126.712) 155.038,126.344 160.406,120.975 v1(162.319,120.975)
NetR3_1: R3.1 U5.46
NetR6_2: R6.2 U5.45
NetR9_1: R9.1 U5.25 | length 42.6
  Top Layer w0.254: R9.1 144.151,139.415 v1(144.717,139.982) ; U5.25 168.315,142.319 168.615,142.019 v1(169.722,142.019)
  Bottom Layer w0.254: v1(169.722,142.019) 165.551,142.019 157.953,134.421 154.78,134.421 152.049,137.152 150.138,137.152 149.417,136.431 148.902,136.431 147.696,135.225 146.975,135.225 144.715,137.485 ; 144.715,137.485 v1@144.715,139.982 ; 144.715,137.485 v1@144.715,139.982 ; 144.715,137.485 v1@144.715,139.982
NetR10_1: R10.1 U5.26 | length 21.3
  Top Layer w0.254: U5.26 168.874,142.819 v1(168.875,142.818) ; v1(174.28,143.032) 175.418,141.894 175.418,140.67 177.777,138.311 v1(177.777,137.829) ; R10.1 181.744,139.439 v1(181.744,141.127)
  Bottom Layer w0.254: v1(168.875,142.818) 169.013,142.68 173.752,142.68 v1@174.104,143.032 ; v1(177.777,137.829) 178.255,137.829 181.553,141.127 v1(181.744,141.127)
NetR11_1: R11.1 U5.27 | length 24.3
  Top Layer w0.254: U5.27 168.486,143.319 168.614,143.447 169.489,143.447 v1(169.626,143.31) ; R11.1 182.116,137.641 182.296,137.82 182.281,137.835 182.281,140.138 182.838,140.695 v1(182.838,141.733)
  Bottom Layer w0.254: v1(169.626,143.31) 173.465,143.31 173.589,143.434 173.589,144.996 174.093,145.5 175.525,145.5 179.193,141.832 182.739,141.832 v1(182.838,141.733)
NetR12_1: R12.1 U5.28 | length 36.3
  Top Layer w0.254: R12.1 144.649,137.898 145.515,138.764 v1(145.515,139.226) ; U5.28 168.38,143.819 168.688,144.128 v1(169.008,144.128)
  Bottom Layer w0.254: v1(145.515,139.226) 145.153,138.864 145.153,137.747 147.153,135.747 147.477,135.747 148.592,136.863 149.185,136.863 150.023,137.7 152.203,137.7 154.254,135.65 156.459,135.65 163.796,142.986 167.867,142.986 v1(169.008,144.128)
NetR17_1: R17.1 U1.24 U5.43 | length 2.6
  Top Layer w0.254: R17.1 U1.24@156.759,137.746
NetR18_1: R18.1 U1.23 U5.42 | length 4.2
  Top Layer w0.254: R18.1 154.778,138.633 157.106,138.633 157.347,138.393 U1.23
NetR19_1: R19.1 U1.7 U2.1 | length 4.4
  Top Layer w0.254: 153.187,133.299 U1.7@156.847,133.299 ; R19.1@165.044,131.039 165.76,131.039
NetR20_1: R20.1 U1.6 U2.16 | length 0.7
  Top Layer w0.254: 165.203,137.795 U2.16@165.927,137.795
NetR27_2: R27.2 U5.20 | length 1.7
  Top Layer w0.254: 166.345,139.522 166.345,141.247
NetU1_12: U1.12 U5.3
NetU2_15: U2.15 U5.4
NetU5_5: U5.5 Y1.1
NetU5_6: U5.6 Y1.3
NRST: C16.2 P3.4 R29.2 U5.7 | length 12.8
  Top Layer w0.254: P3.4 151.076,147.123 154.054,144.146 ; R29.2 154.175,142.295 C16.2 154.19,144.01 154.054,144.146 ; U5.7 157.259,144.819 156.585,144.146 154.054,144.146
RX1: IC2.1 P3.6 U5.31 | length 21.3
  Top Layer w0.254: U5.31 169.318,145.319 171.017,143.62 v1(171.017,141.829)
  Bottom Layer w0.254: IC2.1 163.477,131.581 165.407,133.512 165.407,133.764 165.049,134.122 165.049,135.09 171.017,141.058 v1(171.017,141.829)
SWCLK: P2.3 R26.2 U5.37
SWDIO: P2.2 R25.1 U5.34
TX1: IC2.2 P3.5 U5.30 | length 19.4
  Top Layer w0.254: U5.30 169.207,144.819 170.352,143.675 170.352,141.841 170.361,141.831 170.361,141.428 v1(170.225,141.292)
  Bottom Layer w0.254: IC2.2 161.69,133.788 162.234,133.788 162.486,133.537 162.886,133.537 170.225,140.876 v1(170.225,141.292)
VBAT: C10.1 C13.1 C15.1 D1.3 D2.3 D3.3 D4.3 D21.1 D22.1 D23.1 D24.1 J1.1 J2.1 J3.1 J4.1 P1.1 R23.2 U3.3 U4.3 | length 366.9
  Top Layer w0.5: D24.1 122.792,95.453 v2(124.876,95.453) ; D21.1 122.927,181.504 v2(124.997,181.504) ; v2(199.607,181.482) 201.844,181.482 D22.1 ; v2(199.868,95.621) 202.274,95.621 D23.1
  Top Layer w0.6: C15.1@174.491,137.086 U3.3 ; C15.1@174.509,137.086 C10.1@172.825,138.77 ; C10.1@172.825,138.77 C10.1@172.825,139.07 ; C10.1@172.825,138.77 174.5,137.095 C10.1@172.825,138.77 ; C10.1@172.825,138.77 C10.1@172.825,139.07 ; C10.1@172.825,138.77 C10.1@172.825,139.07
  Top Layer w0.8: v2(124.876,95.453) 127.382,95.453 D4.3 ; v2(124.997,181.504) 127.196,181.504 D1.3 ; D2.3 197.508,181.482 v2(199.607,181.482) ; D3.3 197.22,95.621 v2(199.868,95.621)
  Top Layer w1: C15.1@174.509,137.086 P1.1
  Bottom Layer w0.5: 174.26,129.555 174.684,129.555 ; R23.2 181.939,140.247 182.111,140.247 182.135,140.27 183.831,140.27 183.843,140.283
  Bottom Layer w0.6: 168.775,123.646 168.736,123.646 167.033,125.349 167.03,125.349 ; 170.586,125.507 170.636,125.507 170.716,125.588 ; U4.3 167.03,125.349 ; U4.3 167.03,125.349 ; U4.3 167.03,125.349
  Bottom Layer w0.8: 123.518,107.437 119.277,103.196 119.277,99.013 122.838,95.453 v2(124.876,95.453) ; 124.055,169.362 122.884,169.362 119.253,172.993 119.253,177.861 122.896,181.504 v2(124.997,181.504) ; v2(199.607,181.482) 201.823,181.482 205.082,178.223 205.082,173.804 205.055,173.804 204.763,172.92 201.373,169.529 ; v2(199.868,95.621) 202.372,95.621 205.563,98.813 205.563,103.18 201.217,107.527
  Bottom Layer w1.5: 123.016,107.939 140.42,135.699 140.495,135.774 140.495,139.145 ; 123.518,107.437 124.277,106.678 126.595,106.678 J4.1 ; J1.1 126.664,170.21 124.903,170.21 124.055,169.362 123.256,168.562 140.495,141.268 140.495,139.145 ; 170.636,125.507 168.775,123.646 166.542,121.413 166.513,121.413 165.902,120.802 165.902,120.773 164.461,119.333 160.287,119.333 158.847,120.773 158.847,120.802 158.236,121.413 158.207,121.413 145.406,134.213 145.406,134.243 145.173,134.476 145.169,134.472 140.495,139.145 ; 170.716,125.588 174.684,129.555 177.596,132.467 177.596,133.999 177.562,134.033 ; P1.1 177.562,134.033 ; J2.1 198.124,170.144 200.137,170.144 201.678,168.603 183.843,140.283 183.843,136.422 ; J3.1 198.499,106.879 200.569,106.879 201.217,107.527 201.8,108.11 183.855,136.41 183.843,136.422 ; 177.562,134.033 179.132,134.033 181.521,136.422 183.843,136.422
pads on no net: IC1.1 IC1.4 IC1.5 IC1.6 IC1.7 IC1.9 IC1.10 IC1.11 IC1.12 IC1.13 IC1.14 IC1.19 IC1.20 U1.1 U1.2 U1.3 U1.4 U1.5 U1.11 U1.14 U1.15 U1.16 U1.17 U1.19 U1.21 U1.22 U2.3 U2.5 U2.7 U2.14 U5.29 U5.32 U5.33 U5.38 U5.39 U5.40 U5.41

## Polygon pours and split planes (outlines as drawn)
GND on Top Layer "HMC" (solid, remove dead copper, pour order 10): 165.799,137.048 165.903,137.152 166.011,137.26 167.577,137.26 167.65,137.265 167.65,137.187 167.65,135.253 166.195,135.253 165.715,135.253 165.715,136.964
GND on Top Layer "MPU" (solid, remove dead copper, pour order 8): 157.083,136.96 159.533,136.96 159.533,135.469 159.533,134.016 156.678,134.043 156.65,134.043 156.65,136.559 156.853,136.747
GND on Top Layer "stm32" (solid, pour order 6): 160.723,147.61 165.546,147.61 165.546,142.607 165.546,142.552 165.532,142.552 160.486,142.552 160.486,147.373 160.606,147.492

## Keep-outs
Keep-Out Layer:
  circle w0.254: c124.874,175.881 r3.5
  circle w0.254: c199.874,175.881 r3.5
  circle w0.254: c199.874,100.881 r3.5
  circle w0.254: c124.874,100.881 r3.5
  lines w0.254: 118.538,104.894 ccw(c124.874,100.881) 128.887,94.545 159.505,113.936 cw(c162.374,109.405) 165.244,113.936 195.861,94.545 ccw(c199.874,100.881) 206.21,104.894 186.819,135.511 cw(c191.35,138.381) 186.819,141.251 206.21,171.868 ccw(c199.874,175.881) 195.861,182.217 165.244,162.826 cw(c162.374,167.357) 159.505,162.826 128.887,182.217 ccw(c124.874,175.881) 118.538,171.868 137.929,141.251 cw(c133.398,138.381) 137.929,135.511 118.538,104.894 ; 125.466,108.358 cw(c124.874,100.881) 132.351,101.473 157.364,117.315 ccw(c156.294,119.005) 157.708,120.419 144.412,133.715 ccw(c142.998,132.301) 141.309,133.371 125.467,108.358 ; 125.466,168.404 ccw(c124.874,175.881) 132.351,175.289 157.364,159.447 cw(c156.294,157.757) 157.708,156.343 144.412,143.047 cw(c142.998,144.461) 141.309,143.391 125.467,168.404 ; 167.04,120.419 ccw(c168.454,119.005) 167.384,117.315 192.398,101.473 cw(c199.874,100.881) 199.282,108.358 183.44,133.371 ccw(c181.75,132.301) 180.336,133.715 167.04,120.419 ; 167.04,156.343 cw(c168.454,157.757) 167.384,159.447 192.398,175.289 ccw(c199.874,175.881) 199.282,168.404 183.44,143.391 cw(c181.75,144.461) 180.336,143.047 167.04,156.343

## Silkscreen, mask and mechanical layers (free items; w line width, h text height)
Bottom Overlay:
  text "Design by YuanYe, 20160201" at 140.675,139.325 h3 r302.33
Mechanical 2:
  circle w0.127: c119.571,95.578 r0.064
  circle w0.127: c205.177,181.184 r0.064
  circle w0.127: c117.374,175.881 r0.064

## Text inside footprints (layer, text, board x,y; h text height)
IC1: Mechanical 13 "ANTENNA AREA" at 182.778,147.958 h0.25 r315; Mechanical 13 "CUTOUT POLYGON" at 182.419,147.598 h0.25 r315
IC2: Bottom Overlay "RXD" at 157.715,130.52 h1 r225; Bottom Overlay "VCC" at 156.301,131.935 h1 r225; Bottom Overlay "GND" at 154.887,133.349 h1 r225; Bottom Overlay "LED" at 153.472,134.763 h1 r225; Bottom Overlay "KEY" at 152.058,136.177 h1 r225; Bottom Overlay "TXD" at 158.846,129.106 h1 r225